# KiCad board Line_ver002.kicad_pcb (continued)
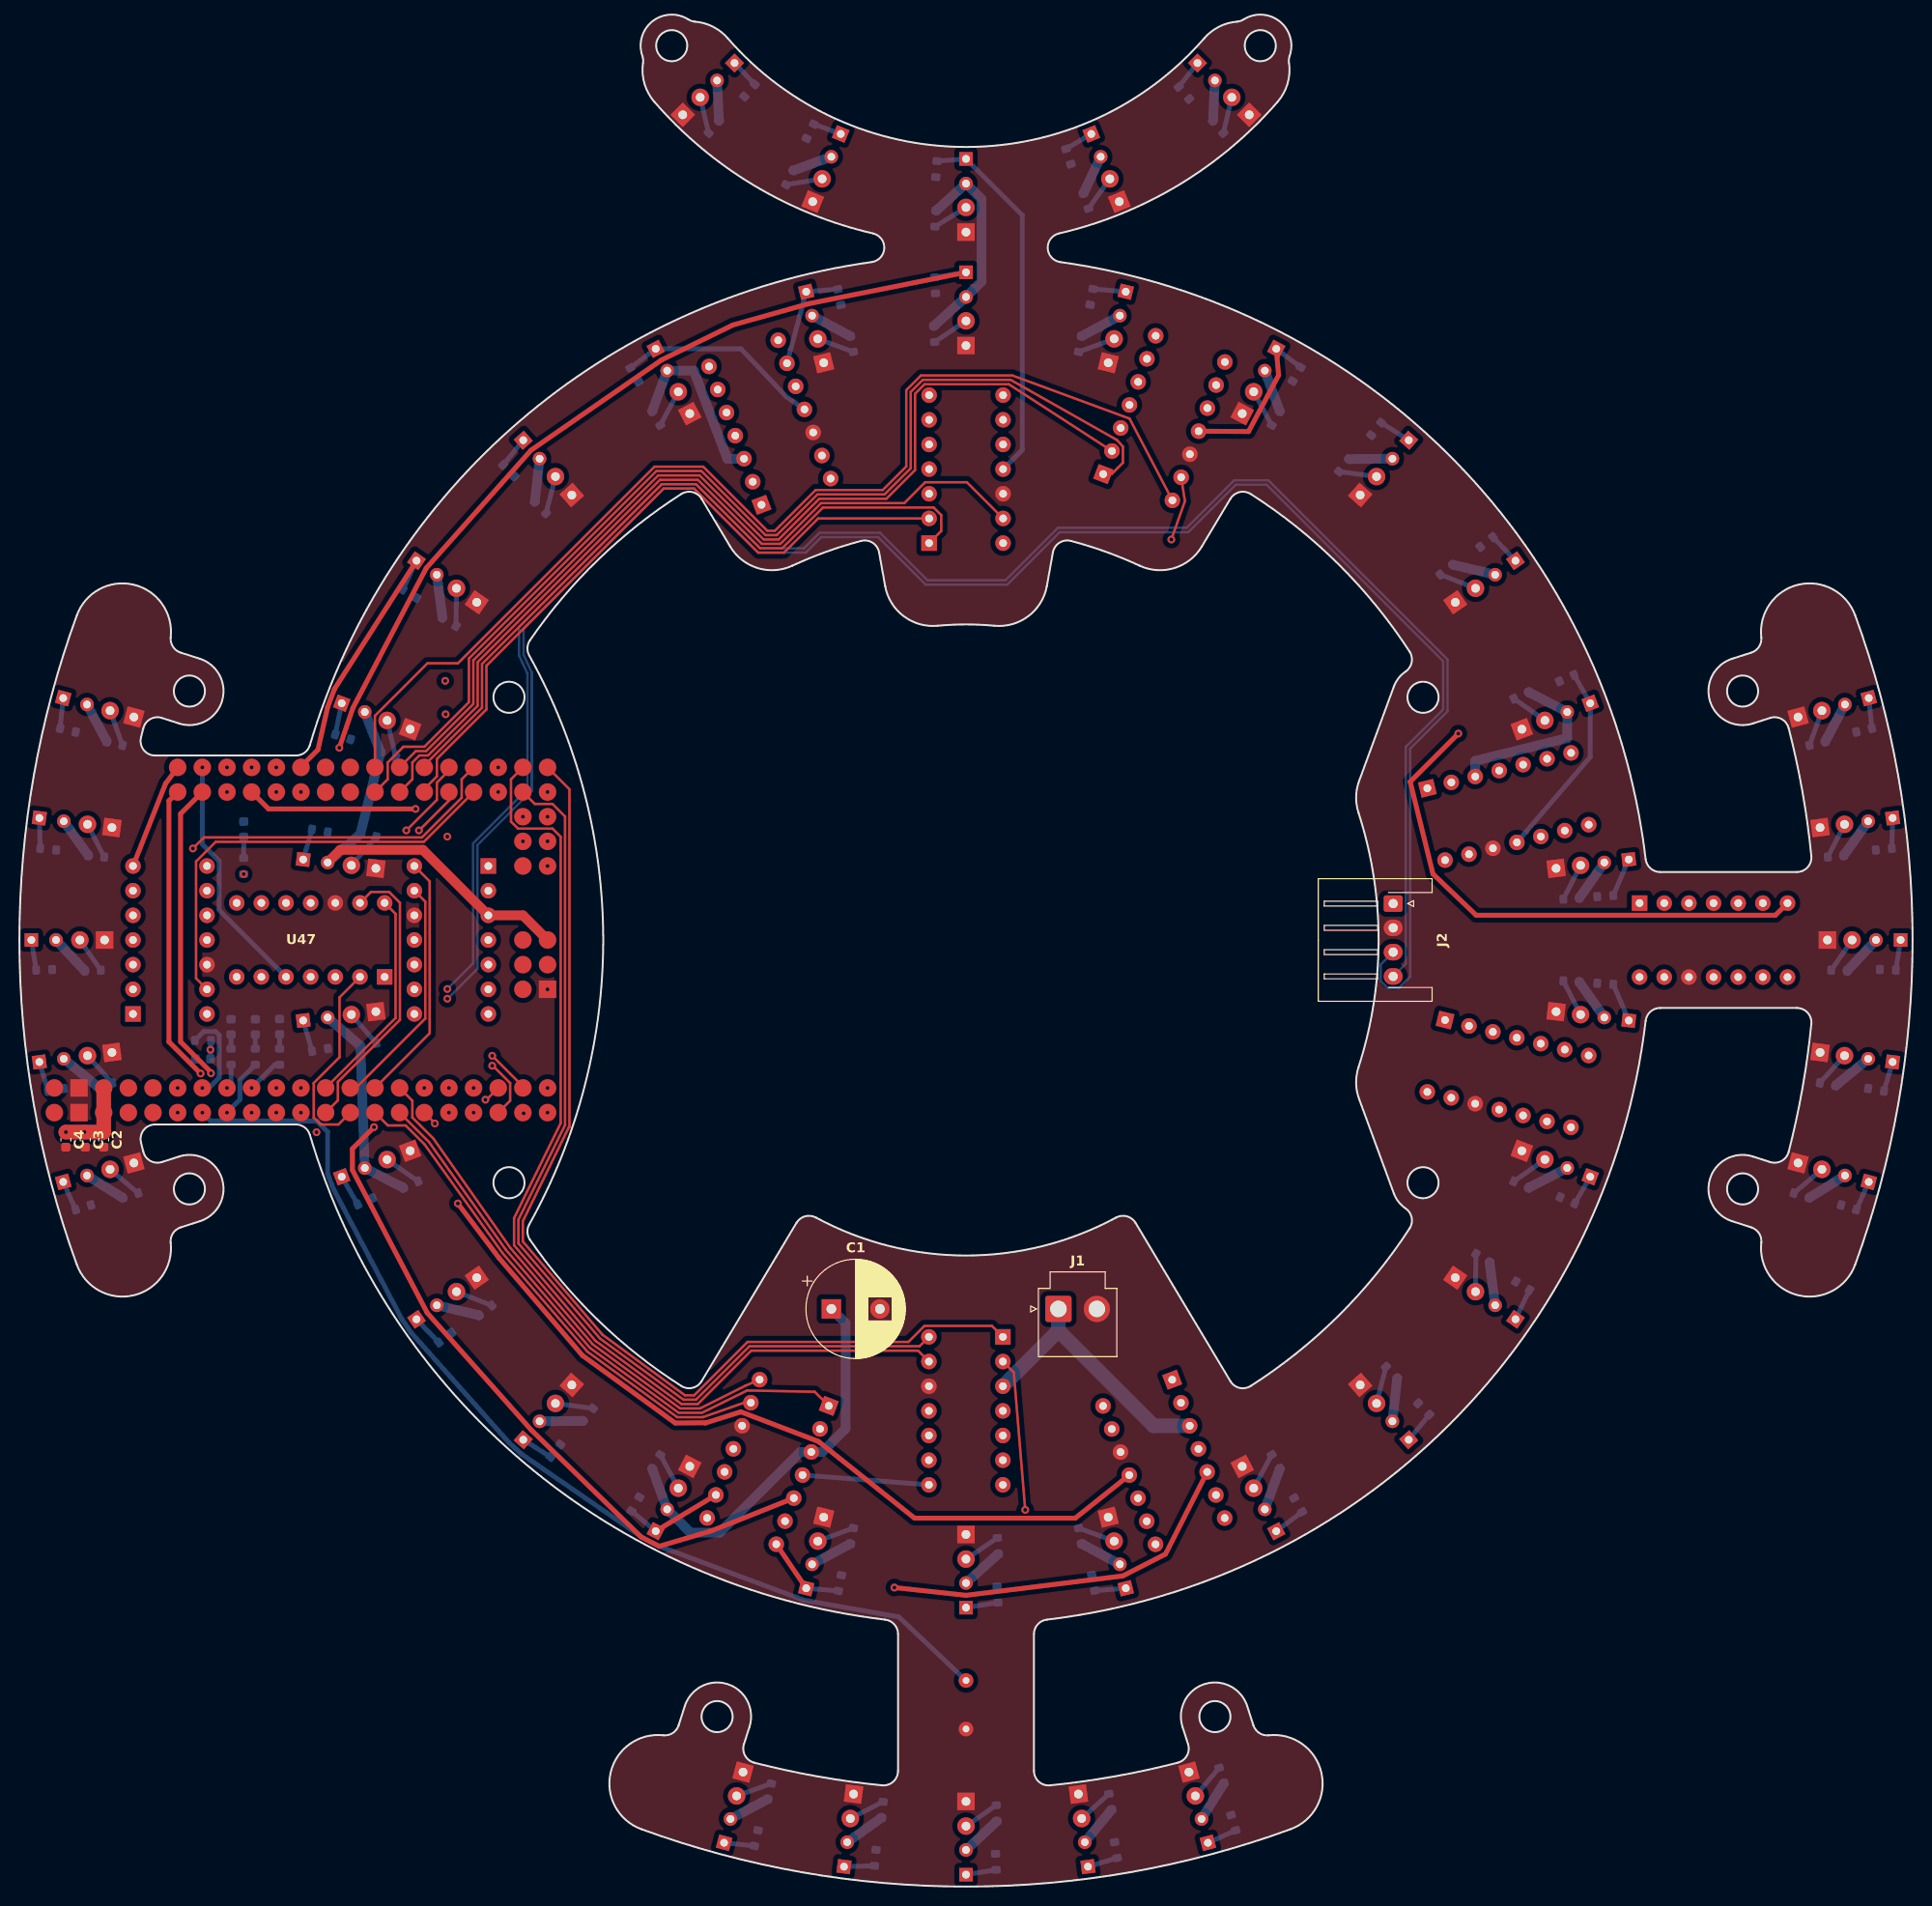
[diagram p0: board, top side]
## Footprints (pads in the part's own frame, mm; a bottom-side part is the same pattern mirrored in y, then rotated)
ATmega2560Pro Board
  round 1.8 smd: 3V3(-17.78,-15.24) 3V3(-17.78,-17.78) 5V(25.4,0) A0(-12.7,17.78) A1(-12.7,15.24) A2(-10.16,17.78) A3(-10.16,15.24) A4(-7.62,17.78) A5(-7.62,15.24) A6(-5.08,17.78) A7(-5.08,15.24) A8(-2.54,17.78) A9(-2.54,15.24) A10(0,17.78) A11(0,15.24) A12(2.54,17.78) A13(2.54,15.24) A14(5.08,17.78) A15(5.08,15.24) AREF(-15.24,-15.24) D2(-10.16,-15.24) D3(-10.16,-17.78) D4(-7.62,-15.24) D5(-7.62,-17.78) D6(-5.08,-15.24) D7(-5.08,-17.78) D8(-2.54,-15.24) D9(-2.54,-17.78) D10(0,-15.24) D11(0,-17.78) D12(2.54,-15.24) D13(2.54,-17.78) D14(5.08,-15.24) D15(5.08,-17.78) D16(7.62,-15.24) D17(7.62,-17.78) D18(10.16,-15.24) D19(10.16,-17.78) D20(12.7,-15.24) D21(12.7,-17.78) D22(15.24,-15.24) D23(15.24,-17.78) D24(17.78,-15.24) D25(17.78,-17.78) D26(20.32,-15.24) D27(20.32,-17.78) D28(22.86,-15.24) D29(22.86,-17.78) D30(25.4,-15.24) D31(25.4,-17.78) D32(7.62,17.78) D33(7.62,15.24) D34(10.16,17.78) D35(10.16,15.24) D36(12.7,17.78) D37(12.7,15.24) D38(15.24,17.78) D39(15.24,15.24) D40(17.78,17.78) D41(17.78,15.24) D42(20.32,17.78) D43(20.32,15.24) D44(22.86,17.78) D45(22.86,15.24) D46(25.4,17.78) D47(25.4,15.24) D48(25.4,12.7) D49(22.86,12.7) D50(25.4,10.16) D51(22.86,10.16) D52(25.4,7.62) D53(22.86,7.62) MISO(22.86,0) MOSI(25.4,-2.54) RESET(22.86,-5.08) RST(-15.24,-17.78) RX(-12.7,-15.24) SCK(22.86,-2.54) TX(-12.7,-17.78) VIN(-25.4,-15.24) VIN(-25.4,-17.78)
  oval 1.8x1.8 smd: 5V(-20.32,-15.24) 5V(-20.32,-17.78)
  rect 1.8x1.8 smd: GND(-22.86,-15.24) GND(-22.86,-17.78) GND(25.4,-5.08)
C_0603_1608Metric
  rrect 0.9x0.95 smd: 1(-0.775,0) 2(0.775,0)
CP_Radial_D10.0mm_P5.00mm
  rect 2x2 hole 1: 1(0,0)
  round 2 hole 1: 2(5,0)
JST_VH_B2P-VH-B_1x02_P3.96mm_Vertical
  rrect 2.7x2.7 hole 1.7: 1(-1.98,0)
  round 2.7 hole 1.7: 2(1.98,0)
JST_XH_S4B-XH-A-1_1x04_P2.50mm_Horizontal
  rrect 1.7x1.95 hole 0.95: 1(0,0)
  oval 1.7x1.95 hole 0.95: 2(2.5,0) 3(5,0) 4(7.5,0)
LED-3mm
  rect 1.8x1.8 hole 0.9: 1(-1.27,0)
  round 1.8 hole 0.9: 2(1.27,0)
LED_0603_1608Metric
  rrect 0.875x0.95 smd: 1(-0.787,0) 2(0.787,0)
LM339
  rect 1.6x1.6 hole 0.8: 1(-3.8,7.62)
  oval 1.6x1.6 hole 0.8: 2(-3.8,5.08) 3(-3.8,2.54) 4(-3.8,0) 5(-3.8,-2.54) 6(-3.8,-5.08) 7(-3.8,-7.62) 8(3.82,-7.62) 9(3.82,-5.08) 10(3.82,-2.54) 11(3.82,0) 12(3.82,2.54) 13(3.82,5.08) 14(3.82,7.62)
NJL7502L
  rect 1.4x1.4 hole 0.8: 1(1.27,0)
  round 1.4 hole 0.8: 2(-1.27,0)
PKM13EPYH4000-A0
  round 1.5 hole 0.7: 1(-2.5,0) 2(2.5,0)
R_0603_1608Metric
  rrect 0.8x0.95 smd: 1(-0.825,0) 2(0.825,0)

## Nets
+5V: C1.1 C2.1 C3.1 C4.1 Comp1.3 Comp2.3 Comp3.3 Comp4.3 Comp5.3 Comp6.3 Comp7.3 Comp8.3 Comp9.3 Comp10.3 Comp11.3 Comp12.3 J1.1 J2.1 R1.2 R2.2 R3.2 R4.2 R5.2 R6.2 R7.2 R8.2 R9.2 R10.2 R11.2 R12.2 R13.2 R14.2 R15.2 R16.2 R17.2 R18.2 R19.2 R20.2 R21.2 R22.2 R23.2 R24.2 R25.2 R26.2 R27.2 R28.2 R29.2 R30.2 R31.2 R32.2 R33.2 R34.2 R35.2 R36.2 R37.2 R38.2 R39.2 R40.2 R41.2 R42.2 R43.2 R44.2 R45.2 R46.2 R96.1 U1.2 U2.2 U3.2 U4.2 U5.2 U6.2 U7.2 U8.2 U9.2 U10.2 U11.2 U12.2 U13.2 U14.2 U15.2 U16.2 U17.2 U18.2 U19.2 U20.2 U21.2 U22.2 U23.2 U24.2 U25.2 U26.2 U27.2 U28.2 U29.2 U30.2 U31.2 U32.2 U33.2 U34.2 U35.2 U36.2 U37.2 U38.2 U39.2 U40.2 U41.2 U42.2 U43.2 U44.2 U45.2 U46.2 U47.5V
GND: BZ1.2 C1.2 C2.2 C3.2 C4.2 C5.1 Comp1.12 Comp2.12 Comp3.12 Comp4.12 Comp5.12 Comp6.12 Comp7.12 Comp8.12 Comp9.12 Comp10.12 Comp11.12 Comp12.12 D1.1 D2.1 D3.1 D4.1 D5.1 D6.1 D7.1 D8.1 D9.1 D10.1 D11.1 D12.1 D13.1 D14.1 D15.1 D16.1 D17.1 D18.1 D19.1 D20.1 D21.1 D22.1 D23.1 D24.1 D25.1 D26.1 D27.1 D28.1 D29.1 D30.1 D31.1 D32.1 D33.1 D34.1 D35.1 D36.1 D37.1 D38.1 D39.1 D40.1 D41.1 D42.1 D43.1 D44.1 D45.1 D46.1 D47.1 D48.1 D49.1 D50.1 J1.2 J2.2 R47.2 R48.2 R49.2 R50.2 R51.2 R52.2 R53.2 R54.2 R55.2 R56.2 R57.2 R58.2 R59.2 R60.2 R61.2 R62.2 R63.2 R64.2 R65.2 R66.2 R67.2 R68.2 R69.2 R70.2 R71.2 R72.2 R73.2 R74.2 R75.2 R76.2 R77.2 R78.2 R79.2 R80.2 R81.2 R82.2 R83.2 R84.2 R85.2 R86.2 R87.2 R88.2 R89.2 R90.2 R91.2 R92.2 U47.GND
Buzzer: BZ1.1 U47.D3
LED01: R93.1 U47.D4
LED02: R94.1 U47.D5
LED03: R95.1 U47.D6
Line01: Comp2.14 U47.D7
Line02: Comp1.14 U47.D8
Line03: Comp1.13 U47.D9
Line04: Comp1.1 U47.D10
Line05: Comp1.2 U47.D11
Line06: Comp5.14 U47.D12
Line07: Comp5.13 U47.D13
Line08: Comp4.13 U47.D14
Line09: Comp5.2 U47.D15
Line10: Comp4.14 U47.D16
Line11: Comp9.13 U47.D17
Line12: Comp9.14 U47.D18
Line13: Comp9.1 U47.D19
Line14: Comp8.2 U47.D20
Line15: Comp7.14 U47.D21
Line16: Comp7.1 U47.D22
Line17: Comp7.2 U47.D23
Line18: Comp12.13 U47.D24
Line19: Comp12.14 U47.D25
Line20: Comp12.1 U47.D26
Line21: Comp10.14 U47.D27
Line22: Comp10.13 U47.D28
Line23: Comp10.1 U47.D29
Line24: Comp10.2 U47.D30
Line25: Comp3.13 U47.D31
Line26: Comp3.14 U47.D32
Line27: Comp3.1 U47.D33
Line28: Comp3.2 U47.D34
Line29: Comp2.13 U47.D35
Line30: Comp2.1 U47.D36
Line31: Comp2.2 U47.D37
Line32: Comp6.14 U47.D38
Line33: Comp6.1 U47.D39
Line34: Comp6.2 U47.D40
Line35: Comp6.13 U47.D41
Line36: Comp5.1 U47.D42
Line37: Comp9.2 U47.D43
Line38: Comp8.13 U47.D44
Line39: Comp8.14 U47.D45
Line40: Comp8.1 U47.D46
Line41: Comp7.13 U47.D47
Line42: Comp12.2 U47.D48
Line43: Comp11.13 U47.D49
Line44: Comp11.14 U47.D50
Line45: Comp11.1 U47.D51
Line46: Comp11.2 U47.D52
Line-Main=RX_5V: J2.4 U47.TX
Line-Main=TX_5V: J2.3 U47.RX
LineThreshold: C5.2 Comp1.4 Comp1.6 Comp1.8 Comp1.10 Comp2.4 Comp2.6 Comp2.8 Comp2.10 Comp3.4 Comp3.6 Comp3.8 Comp3.10 Comp4.8 Comp4.10 Comp5.4 Comp5.6 Comp5.8 Comp5.10 Comp6.4 Comp6.6 Comp6.8 Comp6.10 Comp7.4 Comp7.6 Comp7.8 Comp7.10 Comp8.4 Comp8.6 Comp8.8 Comp8.10 Comp9.4 Comp9.6 Comp9.8 Comp9.10 Comp10.4 Comp10.6 Comp10.8 Comp10.10 Comp11.4 Comp11.6 Comp11.8 Comp11.10 Comp12.4 Comp12.6 Comp12.8 Comp12.10 R97.2
Raw01: Comp2.9 R47.1 U1.1 U47.A11
Raw02: Comp1.9 R48.1 U2.1
Raw03: Comp1.11 R49.1 U3.1
Raw04: Comp1.7 R50.1 U4.1
Raw05: Comp1.5 R51.1 U5.1 U47.A10
Raw06: Comp5.9 R52.1 U6.1
Raw07: Comp5.11 R53.1 U7.1
Raw08: Comp4.11 R54.1 U8.1
Raw09: Comp5.5 R55.1 U9.1 U47.A2
Raw10: Comp4.9 R56.1 U10.1
Raw11: Comp9.11 R57.1 U11.1
Raw12: Comp9.9 R58.1 U12.1
Raw13: Comp9.7 R59.1 U13.1 U47.A3
Raw14: Comp8.5 R60.1 U14.1
Raw15: Comp7.9 R61.1 U15.1
Raw16: Comp7.7 R62.1 U16.1
Raw17: Comp7.5 R63.1 U17.1 U47.A1
Raw18: Comp12.11 R64.1 U18.1
Raw19: Comp12.9 R65.1 U19.1
Raw20: Comp12.7 R66.1 U20.1
Raw21: Comp10.9 R67.1 U21.1 U47.A9
Raw22: Comp10.11 R68.1 U22.1
Raw23: Comp10.7 R69.1 U23.1
Raw24: Comp10.5 R70.1 U24.1
Raw25: Comp3.11 R71.1 U25.1 U47.A8
Raw26: Comp3.9 R72.1 U26.1
Raw27: Comp3.7 R73.1 U27.1
Raw28: Comp3.5 R74.1 U28.1
Raw29: Comp2.11 R75.1 U29.1 U47.A6
Raw30: Comp2.7 R76.1 U30.1
Raw31: Comp2.5 R77.1 U31.1
Raw32: Comp6.9 R78.1 U32.1
Raw33: Comp6.7 R79.1 U33.1 U47.A0
Raw34: Comp6.5 R80.1 U34.1
Raw35: Comp6.11 R81.1 U35.1
Raw36: Comp5.7 R82.1 U36.1
Raw37: Comp9.5 R83.1 U37.1 U47.A7
Raw38: Comp8.11 R84.1 U38.1
Raw39: Comp8.9 R85.1 U39.1
Raw40: Comp8.7 R86.1 U40.1
Raw41: Comp7.11 R87.1 U41.1 U47.A5
Raw42: Comp12.5 R88.1 U42.1
Raw43: Comp11.11 R89.1 U43.1
Raw44: Comp11.9 R90.1 U44.1
Raw45: Comp11.7 R91.1 U45.1 U47.A4
Raw46: Comp11.5 R92.1 U46.1
RST: U47.RST
Net-(D1-A): D1.2 R1.1
Net-(D2-A): D2.2 R2.1
Net-(D3-A): D3.2 R3.1
Net-(D4-A): D4.2 R4.1
Net-(D5-A): D5.2 R5.1
Net-(D6-A): D6.2 R6.1
Net-(D7-A): D7.2 R7.1
Net-(D8-A): D8.2 R8.1
Net-(D9-A): D9.2 R9.1
Net-(D10-A): D10.2 R10.1
Net-(D11-A): D11.2 R11.1
Net-(D12-A): D12.2 R12.1
Net-(D13-A): D13.2 R13.1
Net-(D14-A): D14.2 R14.1
Net-(D15-A): D15.2 R15.1
Net-(D16-A): D16.2 R16.1
Net-(D17-A): D17.2 R17.1
Net-(D18-A): D18.2 R18.1
Net-(D19-A): D19.2 R19.1
Net-(D20-A): D20.2 R20.1
Net-(D21-A): D21.2 R21.1
Net-(D22-A): D22.2 R22.1
Net-(D23-A): D23.2 R23.1
Net-(D24-A): D24.2 R24.1
Net-(D25-A): D25.2 R25.1
Net-(D26-A): D26.2 R26.1
Net-(D27-A): D27.2 R27.1
Net-(D28-A): D28.2 R28.1
Net-(D29-A): D29.2 R29.1
Net-(D30-A): D30.2 R30.1
Net-(D31-A): D31.2 R31.1
Net-(D32-A): D32.2 R32.1
Net-(D33-A): D33.2 R33.1
Net-(D34-A): D34.2 R34.1
Net-(D35-A): D35.2 R35.1
Net-(D36-A): D36.2 R36.1
Net-(D37-A): D37.2 R37.1
Net-(D38-A): D38.2 R38.1
Net-(D39-A): D39.2 R39.1
Net-(D40-A): D40.2 R40.1
Net-(D41-A): D41.2 R41.1
Net-(D42-A): D42.2 R42.1
Net-(D43-A): D43.2 R43.1
Net-(D44-A): D44.2 R44.1
Net-(D45-A): D45.2 R45.1
Net-(D46-A): D46.2 R46.1
Net-(D47-A): D47.2 R93.2
Net-(D48-A): D48.2 R94.2
Net-(D49-A): D49.2 R95.2
Net-(D50-A): D50.2 R96.2
Net-(R97-Pad1): R97.1 U47.D2

Pads without a net: Comp4 1 2 4 5 6 7; U47 3V3 A12 A13 A14 A15 AREF D53 MISO MOSI RESET SCK VIN

## Via types
v1: diameter 0.8, hole 0.4, Top to Bottom, 63 vias

## Routing (per net, layer and track width the routed paths; a pad name or vN(x,y) marks a point on that pad's centre or on a via; arc(x,y) is an arc through that point)
+5V: length 364.6
  Top w1: U47.5V 51.86,100.04 Comp4.3 41.55,106.79 33.06,106.79 U7.2 ; C3.1 v1(6.7,77.71)
  Top w1.5: U47.5V U47.5V 8.68,77.71 C2.1 v1(6.7,77.71) v1(4.78,77.71)
  Bottom w1: R43.2 U43.2 ; R46.2 U46.2 ; R5.2 U5.2 ; U25.2 R25.2 ; C1.1 85.1,58.04 85.1,47.17 82.69,44.76 Comp9.3 80.43,44.76 72.13,36.47 69.11,36.47 U12.2 R12.2 ; R26.2 U26.2 ; R22.2 U22.2 159.43,118.3 149.95,115.95 Comp10.3 ; U37.2 R37.2 ; 160.68,93.13 R20.2 U20.2 ; U35.2 R35.2 ; U10.2 R10.2 ; R23.2 U23.2 ; R24.2 U24.2 ; R19.2 U19.2 ; U38.2 R38.2 ; R31.2 U31.2 ; U7.2 R7.2 R6.2 U6.2 ; R4.2 U4.2 ; U17.2 R17.2 ; U14.2 R14.2 ; U41.2 R41.2 ; U13.2 R13.2 ; U11.2 R11.2 ; R30.2 U30.2 ; U8.2 R8.2 U9.2 R9.2 ; U40.2 R40.2 ; R28.2 U28.2 ; U36.2 R36.2 ; R45.2 U45.2 ; U34.2 R34.2 ; R15.2 U15.2 ; U42.2 R42.2 ; R3.2 U3.2 69.46,156.14 72.92,147.07 Comp1.3 ; R18.2 U18.2 ; R1.2 U1.2 99.1,165.33 99.1,173.81 U29.2 R29.2 ; R44.2 U44.2 ; R32.2 U32.2 ; U2.2 R2.2 ; U39.2 R39.2 ; R21.2 U21.2 ; U27.2 R27.2 ; U16.2 R16.2 ; U33.2 R33.2
  Bottom w1.5: 107.02,57.26 J1.1 ; 107.02,57.26 Comp8.3 ; 107.02,57.26 116.82,47.46 Comp7.3
  vias: v1(23.1,104.29)
GND:
  vias: v1(54.4,92.42)
Buzzer: length 105.9
  Bottom w0.5: v1(18.84,79.72) 19.69,78.87 30.63,78.87 31.75,77.75 31.75,73.4 32.35,71.85 39.4,58.42 40.38,57.02 50.42,45.73 51.73,44.55 64.22,35.92 65.85,35.08 80.8,29.5 90.58,27.78 BZ1.1
LED01: length 2.6
  Bottom w0.5: R93.1 21.8,82.68 v1(21.38,82.26)
LED02: length 6.1
  Bottom w0.5: v1(21.38,79.72) 22.7,81.04 22.7,83.05 R94.1
LED03: length 3.9
  Bottom w0.5: v1(23.92,82.26) 26.31,84.65 R95.1
Line01: length 135
  In1.Cu w0.25: Comp2.14 99.29,136.35 93.34,136.35 85.14,144.55 85.14,146.61 83.1,148.65 74.2,148.25 64.95,147.25 44.8,127.1 44.8,91.05 38.09,84.34 26.24,84.34 24.83,82.93 24.83,80.64 v1(23.92,79.72)
Line02: length 108.8
  In1.Cu w0.25: Comp1.14 78.88,140.35 76.35,140.35 70.8,145.9 65.5,145.9 46.15,126.55 46.15,90.49 38.64,82.99 27.18,82.99 v1(26.46,82.26)
Line03: length 108.9
  In1.Cu w0.25: Comp1.13 74.6,145.75 71.17,146.8 65.13,146.8 45.25,126.92 45.25,90.86 38.27,83.89 26.42,83.89 25.28,82.75 25.28,80.9 v1(26.46,79.72)
Line04: length 118.4
  In1.Cu w0.25: v1(29,82.26) 38.56,82.26 46.6,90.3 46.6,126.36 65.69,145.45 70.61,145.45 76.16,139.9 80.03,139.9 84.69,144.56 84.69,145.49 84.03,146.15 83.3,146.3 Comp1.1 75.78,142.32
Line05: length 102.5
  In1.Cu w0.25: v1(29,79.72) 27.93,79.72 25.73,81.92 25.73,82.56 26.61,83.44 38.46,83.44 45.7,90.68 45.7,126.73 65.32,146.35 70.99,146.35 Comp1.2
Line06: length 22.5
  Top w0.25: U47.D12 38.74,89.47 38.74,100.2 Comp5.14
Line07: length 29.8
  Top w0.25: Comp5.13 36.2,102.45 38.08,102.45 39.19,101.34 39.19,89.28 32.8,82.89 32.8,80.98 U47.D13
Line08: length 24.3
  Top w0.25: Comp4.13 41.8,101.46 41.8,89.41 34.65,82.26 U47.D14
Line09: length 21
  Top w0.25: U47.D15 32.85,78.5 31.03,78.5 30.31,79.21 30.31,82.77 32.97,85.42 32.97,91.59 Comp5.2
Line10: length 25.8
  Top w0.25: U47.D16 42.25,87.9 42.25,103.55 Comp4.14
Line11: length 52.9
  Top w0.25: U47.D17 37.94,78.4 39.78,78.4 41.73,76.45 49.8,65.2 58.5,55.1 67.75,48.35 70.4,48.35 74.64,49.84 Comp9.13
Line12: length 53.5
  Top w0.25: U47.D18 40.47,80.95 40.47,79.21 42.63,77.05 50.55,65.8 59.05,55.85 68.05,49.25 70.1,49.25 74.8,51.6 Comp9.14
Line13: length 59.2
  Top w0.25: Comp9.1 81.91,50.97 74.95,51.1 70.3,48.8 67.9,48.8 58.75,55.5 50.1,65.6 42.18,76.7 U47.D19
Line14: length 112.4
  Top w0.25: v1(103.6,38.8) 102.42,52.96 Comp8.2
  In1.Cu w0.25: v1(103.6,38.8) 91.8,38.8 85.05,51 76.15,54.05 74.9,53.3 72.08,45.95 66.46,45.95 42.06,70.4 42.06,81.9 v1(41.7,82.26)
Line15: length 106.2
  Top w0.25: U47.D21 42.79,78.63 v1(42.79,78.6)
  In1.Cu w0.25: v1(42.79,78.6) 42.79,70.35 66.65,46.4 71.75,46.4 74.55,53.7 76.05,54.6 85.35,51.4 92.1,39.36 103,39.36 Comp7.14
Line16: length 115.5
  In1.Cu w0.25: v1(44.24,82.26) 43.51,81.54 43.51,70.35 66.83,46.85 71.4,46.85 74.2,54.05 76,55.1 85.65,51.8 92.4,39.81 102.7,39.81 110.9,50.6 Comp7.1
Line17: length 117.3
  In1.Cu w0.25: Comp7.2 120.44,50.63 119.8,53.6 119,53.9 110.6,51 102.46,40.26 92.72,40.26 85.95,52.2 75.95,55.65 73.85,54.4 71.05,47.3 67.02,47.3 44.25,70.25 v1(44.24,79.72)
Line18: length 155.2
  In1.Cu w0.25: v1(46.78,82.26) 46.05,81.54 46.05,69.35 67.25,47.75 70.7,47.75 73.5,54.8 75.95,56.2 86.15,52.75 93.25,58 103.83,58 106.93,54.9 119.93,54.9 124.93,49.9 128.87,49.9 147.8,68.83 147.8,80.93 Comp12.13
Line19: length 152.1
  In1.Cu w0.25: v1(46.78,79.72) 46.78,69.6 66.85,48.8 67.45,48.2 70.35,48.2 73.1,55.15 75.9,56.7 86.05,53.3 93.1,58.5 103.96,58.5 107.01,55.45 120.01,55.45 125.11,50.35 128.69,50.35 147.35,69.01 147.35,73.69 145.02,76.02 Comp12.14
Line20: length 162.2
  Top w0.25: U47.D26 48.11,81.05 v1(48,81.05)
  In1.Cu w0.25: Comp12.1 143.89,86.3 143.89,76.51 146.9,73.5 146.9,69.2 128.5,50.8 125.3,50.8 120.2,55.9 107.2,55.9 104.15,58.95 92.95,58.95 86,53.85 75.9,57.25 72.75,55.5 70,48.65 67.7,48.65 48,69 v1(48,81.05)
Line21: length 202.6
  Top w0.25: v1(48.7,84.55) 48.76,84.55 50.54,82.77 50.54,80.95 U47.D27
  In1.Cu w0.25: v1(48.7,84.55) 47.05,86.2 47.05,126.17 65.88,145 70.07,145 75.62,139.45 80.49,139.45 81.84,140.8 88.25,140.8 93.15,135.9 101.03,135.9 105.98,140.85 119.84,140.85 124.74,145.75 129.01,145.75 149.95,124.81 153.8,114.85 152.9,106 149.1,105.05 Comp10.14
Line22: length 192
  Top w0.25: v1(48.7,85.57) 51.86,82.42 U47.D28
  In1.Cu w0.25: Comp10.13 151.25,114.1 149.5,124.62 128.82,145.3 124.93,145.3 120.03,140.4 106.16,140.4 101.21,135.45 92.94,135.45 88.04,140.35 82.03,140.35 80.68,139 75.44,139 69.89,144.55 66.06,144.55 47.5,125.99 47.5,108.17 49.42,106.25 49.42,86.3 v1(48.7,85.57)
Line23: length 185.7
  Top w0.25: v1(51.94,79.64) U47.D29
  In1.Cu w0.25: Comp10.1 148.61,124.88 128.64,144.85 125.11,144.85 120.21,139.95 106.35,139.95 101.4,135 92.75,135 87.85,139.9 82.21,139.9 80.86,138.55 75.25,138.55 69.7,144.1 66.25,144.1 47.95,125.8 47.95,108.36 50.15,106.16 50.15,84.62 50.16,84.62 50.16,81.42 v1(51.94,79.64)
Line24: length 182.1
  In2.Cu w0.25: v1(54.4,82.26) 56.26,84.13 56.26,114.64 53.94,116.97 53.94,121.91 50.86,124.99 50.86,129.18 66.14,144.45 69.76,144.45 76.61,137.6 80.55,137.6 82.4,139.45 88.66,139.45 93.56,134.55 101.59,134.55 106.54,139.5 120.4,139.5 125.3,144.4 128.45,144.4 147.49,125.36 Comp10.2
Line25: length 140.5
  Top w0.25: v1(118.65,138.75) 120.05,142.7 Comp3.13
  In2.Cu w0.25: v1(54.4,79.72) 56.87,82.19 56.87,115.33 54.7,117.5 54.7,121.79 51.31,125.17 51.31,128.99 66.32,144 69.58,144 74.29,139.29 74.29,139.24 76.38,137.15 80.74,137.15 82.59,139 88.48,139 93.38,134.1 101.77,134.1 106.72,139.05 v1(118.65,138.75)
Line26: length 117.9
  Top w0.25: Comp3.14 114.35,151.2 102.28,155.65 92.86,155.65 91.35,154.13 91.35,146.27 88.92,143.85 82.01,143.85 77.82,139.65 77.03,139.65 70.43,146.25 65.42,146.25 45.17,126 42.03,126 36.62,120.59 U47.D32
Line27: length 114.5
  Top w0.25: U47.D33 37.93,114.06 37.93,115.79 39.55,117.41 41.71,117.41 46.3,122 46.3,126.5 65.6,145.8 70.25,145.8 76.85,139.2 78,139.2 82.2,143.4 89.11,143.4 91.8,146.09 91.8,153.95 93.05,155.2 102.09,155.2 113.05,149 113.66,148.33 113.66,146.66 112.49,145.49 Comp3.1
Line28: length 104.5
  Top w0.25: U47.D34 40.83,116.96 41.9,116.96 46.75,121.81 46.75,126.31 65.79,145.35 70.06,145.35 76.66,138.75 78.19,138.75 82.39,142.95 89.3,142.95 92.25,145.9 92.25,153.76 93.23,154.75 101.9,154.75 Comp3.2
Line29: length 86
  Top w0.25: Comp2.13 97.59,144.65 93.3,144.65 91.14,142.5 82.57,142.5 78.38,138.3 76.47,138.3 69.87,144.9 65.98,144.9 47.2,126.12 47.2,121.62 42.08,116.51 41.19,116.51 40.47,115.79 40.47,114.06 U47.D35
Line30: length 76.3
  Top w0.25: U47.D36 41.7,115.49 47.65,121.44 47.65,125.94 66.16,144.45 69.69,144.45 76.29,137.85 78.56,137.85 82.76,142.05 94.16,142.05 94.95,141.26 94.95,139.63 Comp2.1
Line31: length 73
  Top w0.25: U47.D37 41.7,113.05 43,114.35 43,116.15 48.1,121.25 48.1,125.75 66.35,144 69.5,144 76.1,137.4 78.75,137.4 82.27,140.92 Comp2.2
Line32: length 47.5
  Top w0.25: U47.D38 44.24,114.95 43,113.71 43,111.94 v1(39.85,108.79)
  In1.Cu w0.25: Comp6.14 18.19,91.01 18.19,105.59 20.41,107.8 38.86,107.8 v1(39.85,108.79)
Line33: length 48.9
  Top w0.25: v1(41.15,108.79) 41.16,108.79 44.24,111.86 U47.D39
  In1.Cu w0.25: Comp6.1 17.74,95.93 17.74,105.77 21.15,109.17 36.19,109.17 36.52,109.51 40.43,109.51 v1(41.15,108.79)
Line34: length 50.5
  Top w0.25: U47.D40 45.55,114.06 45.55,112.15 41.46,108.06 19.01,108.06 v1(17.87,106.93)
  In1.Cu w0.25: Comp6.2 17.25,97.97 17.25,106.3 v1(17.87,106.93)
Line35: length 45.2
  Top w0.25: Comp6.13 18.19,93.55 18.19,105.59 20.22,107.61 41.65,107.61 U47.D41
Line36: length 29.7
  In2.Cu w0.25: Comp5.1 37.62,98.57 39.05,100 39.05,110.65 43.68,115.28 v1(49.32,115.28)
Line37: length 92.3
  In2.Cu w0.25: Comp9.2 81.66,46.34 67.38,46.34 45.9,67.82 45.9,77.82 49.5,81.42 49.5,112.56 v1(49.32,112.74)
Line38: length 107.2
  Top w0.25: U47.D44 50.63,114.06 50.63,109.69 51.35,108.98 54.91,108.98 55.75,108.13 55.75,78.62 50.95,68.85 50.95,66.05 59.35,56.2 68.2,49.7 69.87,49.7 75.37,55.2 92.56,55.2 Comp8.13
Line39: length 102
  Top w0.25: Comp8.14 92.71,55.65 75.19,55.65 69.69,50.15 68.4,50.15 59.8,56.45 51.4,66.25 51.4,68.7 56.2,78.44 56.2,110.22 54.91,111.52 53.08,111.52 U47.D45
Line40: length 110.2
  Top w0.25: U47.D46 56.65,113.03 56.65,78.25 56.57,78.17 51.85,68.53 51.85,66.45 60.05,56.85 68.55,50.6 69.5,50.6 75,56.1 91.57,56.1 93.21,57.75 100.17,57.75 Comp8.1
Line41: length 162.2
  In1.Cu w0.25: Comp7.13 103.95,38.08 103.94,38.08 91.58,38.08 84.75,50.6 76.2,53.5 75.3,53 72.4,45.5 66.27,45.5 41.2,70.6 39.05,75.3 38.6,76.3 38.6,80.19 41.4,82.99 47.26,82.99 51.33,78.92 54.67,78.92 55.2,79.45 55.2,111.94 v1(54.4,112.74)
Line42: length 201.2
  In2.Cu w0.25: Comp12.2 143.85,83.19 143.85,81.43 148.55,76.73 148.55,68.35 129.15,48.95 124,48.95 119.38,53.57 106.42,53.57 102.24,57.75 93.21,57.75 88.81,53.34 75.77,53.34 73.85,51.42 73.85,49.05 71.75,46.95 67.4,46.95 46.35,68 46.35,77.63 49.95,81.23 49.95,109.32 51.56,110.93 53.67,110.93 v1(54.4,110.2)
Line43: length 221.1
  In2.Cu w0.25: Comp11.13 167.89,92.15 147.72,92.15 143.4,87.83 143.4,81.24 148.1,76.54 148.1,68.54 128.96,49.4 124.19,49.4 119.57,54.02 106.61,54.02 102.43,58.2 93.03,58.2 88.62,53.79 75.59,53.79 73.4,51.6 73.4,49.24 71.56,47.4 67.59,47.4 46.8,68.19 46.8,77.44 50.4,81.04 50.4,108.74 v1(51.86,110.2)
Line44: length 218.7
  In2.Cu w0.25: v1(54.4,107.66) 53.67,108.39 51.56,108.39 50.85,107.68 50.85,80.86 47.25,77.26 47.25,68.38 67.78,47.85 71.38,47.85 72.95,49.42 72.95,51.79 75.4,54.24 88.44,54.24 92.84,58.65 102.61,58.65 106.79,54.47 119.76,54.47 124.37,49.85 128.77,49.85 147.65,68.73 147.65,76.36 142.95,81.06 142.95,88.01 148.62,93.68 Comp11.14
Line45: length 217
  In2.Cu w0.25: v1(51.86,107.66) 51.3,107.1 51.3,80.67 47.7,77.07 47.7,68.56 67.96,48.3 71.19,48.3 72.5,49.61 72.5,51.98 75.21,54.69 88.25,54.69 92.65,59.1 102.8,59.1 106.98,54.92 119.94,54.92 124.56,50.3 128.59,50.3 147.2,68.91 147.2,76.17 142.5,80.87 142.5,88.2 148.43,94.13 159.71,94.13 Comp11.1
Line46: length 218.8
  In2.Cu w0.25: v1(54.4,105.12) 51.75,102.47 51.75,80.48 48.15,76.88 48.15,68.75 68.15,48.75 71,48.75 72.05,49.8 72.05,52.16 75.03,55.14 76.44,55.14 76.45,55.15 88.07,55.15 92.47,59.55 102.98,59.55 107.16,55.37 120.13,55.37 124.75,50.75 128.4,50.75 146.75,69.1 146.75,75.98 142.05,80.68 142.05,88.39 148.24,94.58 159.52,94.58 165.2,100.25 165.2,101.87 165.75,102.43 168.29,102.43 Comp11.2
Line-Main=RX_5V: length 228.9
  In1.Cu w0.25: v1(16.3,79.72) 17.05,80.47 17.05,83.16 18.67,84.79 37.9,84.79 44.08,90.96 v1(44.08,91.45)
  Bottom w0.25: v1(44.08,91.45) 44.1,91.45 47.17,94.52 47.17,107.27 52.77,112.88 52.77,125.05 51.92,126.88 51.92,129.55 66.35,144 69.5,144 76.1,137.4 81,137.4 82.6,139 88.45,139 93.35,134.1 101.75,134.1 107.15,139.5 120.4,139.5 125.3,144.4 128.45,144.4 146.65,126.2 146.65,121.25 142.8,117.4 142.8,95.05 J2.4
Line-Main=TX_5V: length 234.5
  In1.Cu w0.25: v1(16.3,82.26) 16.3,83.05 18.49,85.24 37.71,85.24 43.35,90.87 43.35,91.75 44.05,92.45 v1(44.08,92.45)
  Bottom w0.25: v1(44.08,92.45) 46.72,95.1 46.72,107.46 52.33,113.06 52.33,124.95 51.48,126.78 51.48,129.75 66.15,144.45 69.69,144.45 76.29,137.85 80.81,137.85 82.41,139.45 88.64,139.45 93.54,134.55 101.56,134.55 106.96,139.95 120.21,139.95 125.11,144.85 128.64,144.85 147.1,126.39 147.1,121.06 143.25,117.21 143.25,93.71 142.11,92.58 140.89,92.58 140.2,93.26 140.2,94.95 J2.3
LineThreshold: length 36
  In1.Cu w0.5: Comp10.10 Comp12.4
  In2.Cu w0.5: Comp12.10 154.72,79.42 154.7,79.4
  Bottom w0.5: Comp8.8 Comp9.4 ; 19.72,87.15 19.67,87.1 C5.2
  vias: v1(19.67,86.2)
Raw01: length 113.1
  Top w0.5: U1.1 81.35,163.05 73.5,160.85 66.15,157.25 52.7,147.95 41.9,135.8 34.35,121.4 v1(32.95,117.3)
  In1.Cu w0.5: v1(29,112.74) v1(32.95,117.3)
  In2.Cu w0.5: U1.1 102.6,161.17 102.6,152.36 Comp2.9
  Bottom w0.5: R47.1 U1.1
Raw02: length 10.9
  Bottom w0.5: R48.1 U2.1 Comp1.9
Raw03: length 21.1
  Bottom w0.5: R49.1 U3.1 74.32,158.39 79,153.45 Comp1.11
Raw04: length 24.9
  In2.Cu w0.5: Comp1.7 70.31,157.29 66.24,157.29 U4.1
  Bottom w0.5: R50.1 U4.1
Raw05: length 65.3
  Top w0.5: U5.1 32.45,123.35 31.75,121.5 30.75,117.1 29,115.35 U47.A10
  In2.Cu w0.5: Comp1.5 68.8,149.77 53.3,148.57 U5.1
  Bottom w0.5: R51.1 U5.1
Raw06: length 25.7
  In2.Cu w0.5: U6.1 28.05,113.2 Comp5.9
  Bottom w0.5: U6.1 R52.1
Raw07: length 7.8
  In2.Cu w0.5: U7.1 Comp5.11
  Bottom w0.5: R53.1 U7.1
Raw08: length 20
  In1.Cu w0.5: U8.1 32.09,92.07 38.4,92.07 39.43,93.1 39.43,96.25 Comp4.11
  Bottom w0.5: U8.1 R54.1
Raw09: length 50
  In2.Cu w0.5: Comp5.5 27.5,93.66 27.5,89.37 U9.1
  Bottom w0.5: v1(18.84,115.28) 18.84,107.37 20.57,105.64 20.57,100.59 Comp5.5 ; U9.1 R55.1
Raw10: length 40.8
  In2.Cu w0.5: U10.1 34.3,73.87 34.3,84.17 Comp4.9
  Bottom w0.5: U10.1 R56.1
Raw11: length 25
  In2.Cu w0.5: U11.1 Comp9.11
  Bottom w0.5: U11.1 R57.1
Raw12: length 10.5
  Top w0.5: U12.1 Comp9.9
  Bottom w0.5: U12.1 R58.1
Raw13: length 126.7
  Top w0.5: U47.A3 16.6,110.5 16.6,87.01 19.73,83.88 v1(19.73,83.77) ; U13.1 Comp9.7
  In1.Cu w0.5: U13.1 65.9,35.05 64.25,35.9 51.8,44.5 50.45,45.7 40.35,57.05 39.35,58.5 32.3,71.95 31.75,73.4 v1(30.6,77.7)
  In2.Cu w0.5: v1(19.73,83.77) 19.73,82.71 23.57,78.87 29.43,78.87 v1(30.6,77.7)
  Bottom w0.5: U13.1 R59.1
Raw14: length 22.6
  In2.Cu w0.5: Comp8.5 99.25,44.41 99.25,30.48 U14.1
  Bottom w0.5: U14.1 R60.1
Raw15: length 10.4
  In2.Cu w0.5: U15.1 Comp7.9
  Bottom w0.5: R61.1 U15.1
Raw16: length 8.8
  In2.Cu w0.5: Comp7.7 U16.1
  Bottom w0.5: U16.1 R62.1
Raw17: length 188.8
  Top w0.5: U47.A1 15.4,111.84 15.4,87.01 v1(18.66,83.75) ; Comp7.5 118.05,34.25 113.65,32 97.5,30 v1(90.12,30.8)
  In1.Cu w0.5: v1(18.66,83.75) 18.66,83.64 23.43,78.87 31.63,78.87 33.05,77.45 34.4,73.5 41.95,59.15 52.75,47 66.15,37.75 81.35,31.95 v1(90.12,30.8)
  In2.Cu w0.5: Comp7.5 125.7,44.97 U17.1
  Bottom w0.5: U17.1 R63.1
Raw18: length 25
  In1.Cu w0.5: U18.1 Comp12.11
  Bottom w0.5: U18.1 R64.1
Raw19: length 10.4
  In2.Cu w0.5: U19.1 Comp12.9
  Bottom w0.5: R65.1 U19.1
Raw20: length 9.5
  In2.Cu w0.5: Comp12.7 165.77,89.19 U20.1
  Bottom w0.5: U20.1 R66.1
Raw21: length 201.6
  In1.Cu w0.5: v1(26.46,112.74) 27.31,111.89 29.69,111.89 33.85,116.8 34.4,121.4 42,135.9 52.75,148 66.2,157.3 81.45,163.05 97.5,165 113.7,163 128.9,157.25 142.3,148 153.1,135.75 160.6,121.4 161.2,116.65 Comp10.9
  In2.Cu w0.5: U21.1 Comp10.9
  Bottom w0.5: R67.1 U21.1
Raw22: length 20.5
  Bottom w0.5: Comp10.11 161.8,116.35 U22.1 R68.1
Raw23: length 24.6
  In2.Cu w0.5: U23.1 160.68,121.12 Comp10.7
  Bottom w0.5: R69.1 U23.1
Raw24: length 40.7
  In2.Cu w0.5: U24.1 152.5,136.57 153.3,135.37 153,118.97 Comp10.5
  Bottom w0.5: R70.1 U24.1
Raw25: length 146.1
  Top w0.5: Comp3.11 126.6,149.87 129.7,155.67 U25.1
  In1.Cu w0.5: U25.1 115.3,165.2 113.35,165.7 98.8,167.5 96.55,167.5 81.65,165.7 79.9,165.3 65.65,159.85 64.25,159.1 51.7,150.45 50.5,149.35 40.4,138.05 39.35,136.55 32.4,123.25 31.75,121.55 30.75,117.15 28.88,115.28 v1(26.46,115.28)
  Bottom w0.5: U25.1 R71.1
Raw26: length 16.8
  In2.Cu w0.5: U26.1 118.1,160.6 Comp3.9
  Bottom w0.5: R72.1 U26.1
Raw27: length 45.5
  In2.Cu w0.5: Comp3.7 117.04,160.1 113.8,163 110.24,163 105.5,167.74 105.5,174 109.9,178.87 112,179.77 U27.1
  Bottom w0.5: U27.1 R73.1
Raw28: length 37.4
  In2.Cu w0.5: U28.1 104.8,174.92 104.8,167.45 110.5,161.75 110.5,156 111.51,154.99 Comp3.5
  Bottom w0.5: R74.1 U28.1
Raw29: length 139.1
  In1.Cu w0.5: v1(43.86,124.19) 43.05,123.38 43.05,118.85 35.35,111.15 26.85,111.15 23.92,114.08 v1(23.92,115.28)
  In2.Cu w0.5: v1(43.86,124.19) 65.4,145.72 70.45,145.72 75.33,140.84 91.84,140.84 93.2,142.2 97.52,142.2 Comp2.11
  Bottom w0.5: Comp2.11 103.3,147.98 103.3,172.15 U29.1 R75.1
Raw30: length 33.6
  In2.Cu w0.5: U30.1 93.7,171.42 Comp2.7
  Bottom w0.5: R76.1 U30.1
Raw31: length 51.5
  In2.Cu w0.5: U31.1 83.1,179.77 85.2,178.87 92.45,171.52 92.45,149.79 Comp2.5
  Bottom w0.5: U31.1 R77.1
Raw32: length 27.9
  In2.Cu w0.5: U32.1 Comp6.9
  Bottom w0.5: U32.1 R78.1
Raw33: length 25.3
  Top w0.5: Comp6.7 15.05,113.6 U47.A0
  In2.Cu w0.5: Comp6.7 11.65,105.17 3.9,108.37 U33.1
  Bottom w0.5: U33.1 R79.1
Raw34: length 14.1
  In2.Cu w0.5: U34.1 1.23,97.65 3.5,98.87 Comp6.5
  Bottom w0.5: U34.1 R80.1
Raw35: length 28.9
  In2.Cu w0.5: Comp6.11 18.07,96.25 18.07,91.74 10.44,84.12 2.87,84.12 U35.1
  Bottom w0.5: U35.1 R81.1
Raw36: length 31.7
  In2.Cu w0.5: U36.1 22.38,90.45 Comp5.7
  Bottom w0.5: U36.1 R82.1
Raw37: length 187
  Top w0.5: Comp9.5 71.3,36.65 65.9,35.05 64.05,36 52.75,47 42,59.1 34.3,73.8 34.3,76 v1(36.52,78.22) ; U47.A7 25.66,111 v1(40.8,111)
  In2.Cu w0.5: U37.1 85.7,3.27 91.03,8.6 91.03,32.54 83.56,40.01 Comp9.5 ; v1(40.8,111) 43.23,108.58 43.23,84.99 36.52,78.29 v1(36.52,78.22)
  Bottom w0.5: U37.1 R83.1
Raw38: length 54.1
  In2.Cu w0.5: U38.1 85.64,2.05 91.73,8.14 91.73,47.05 Comp8.11
  Bottom w0.5: U38.1 R84.1
Raw39: length 48.4
  In2.Cu w0.5: U39.1 92.43,6.3 92.43,42.67 Comp8.9
  Bottom w0.5: U39.1 R85.1
Raw40: length 46.5
  In2.Cu w0.5: Comp8.7 101.25,41.33 101.25,10.16 109.36,2.05 U40.1
  Bottom w0.5: U40.1 R86.1
Raw41: length 209.1
  Top w0.5: 45.16,70.36 v1(45.16,70.36) 49.4,64.75 58,54.7 67.55,47.75 70.63,47.77 70.65,47.75 74.3,48.9 82.3,45.85 92.2,37.95 108.75,37.95 Comp7.11
  In1.Cu w0.5: v1(44.08,108.15) 42.12,110.1 36.3,110.1 35.95,109.75 24.37,109.75 v1(21.38,112.74)
  In2.Cu w0.5: U41.1 109.25,3.25 104,8.67 104,32.28 114.1,42.38 Comp7.11 ; v1(45.16,70.36) 45.16,70.37 45.16,107.07 v1(44.08,108.15)
  Bottom w0.5: U41.1 R87.1
Raw42: length 58.2
  In2.Cu w0.5: U42.1 191.7,85.8 185.75,91.57 157.15,91.57 156.7,91.13 Comp12.5
  Bottom w0.5: R88.1 U42.1
Raw43: length 25.6
  In2.Cu w0.5: Comp11.11 175.91,92.27 186.31,92.27 192.95,85.64 U43.1
  Bottom w0.5: R89.1 U43.1
Raw44: length 18.9
  In1.Cu w0.5: U44.1 192.42,96.15 182.05,96.15 Comp11.9
  Bottom w0.5: R90.1 U44.1
Raw45: length 243.7
  Top w0.5: v1(148.21,118.76) 143.25,113.8 145.6,104.3 150.05,100.05 180.87,100.05 Comp11.7
  In1.Cu w0.5: v1(43.9,120.75) 43.9,118.71 35.64,110.45 26.21,110.45 v1(21.38,115.28)
  In2.Cu w0.5: Comp11.7 184.89,101.3 192.95,109.36 U45.1 ; v1(43.9,120.75) 43.9,123.03 65.9,145.03 70,145.03 76.85,138.18 80.31,138.18 82.16,140.03 88.9,140.03 93.8,135.12 101.35,135.12 106.3,140.07 120.16,140.07 125.06,144.97 128.69,144.97 148.21,125.45 v1(148.21,118.76)
  Bottom w0.5: R91.1 U45.1
Raw46: length 34.4
  In2.Cu w0.5: Comp11.5 178.41,102.67 185.2,102.67 191.7,109.17 191.58,110.67 U46.1
  Bottom w0.5: R92.1 U46.1
Net-(D1-A): length 3.9
  Bottom w0.5: R1.1 D1.2
Net-(D2-A): length 3.9
  Bottom w0.5: D2.2 R2.1
Net-(D3-A): length 3.9
  Bottom w0.5: R3.1 D3.2
Net-(D4-A): length 3.9
  Bottom w0.5: R4.1 D4.2
Net-(D5-A): length 3.9
  Bottom w0.5: R5.1 D5.2
Net-(D6-A): length 3.9
  Bottom w0.5: D6.2 R6.1
Net-(D7-A): length 3.9
  Bottom w0.5: R7.1 D7.2
Net-(D8-A): length 3.9
  Bottom w0.5: D8.2 R8.1
Net-(D9-A): length 3.9
  Bottom w0.5: D9.2 R9.1
Net-(D10-A): length 3.9
  Bottom w0.5: D10.2 R10.1
Net-(D11-A): length 3.9
  Bottom w0.5: D11.2 R11.1
Net-(D12-A): length 3.9
  Bottom w0.5: D12.2 R12.1
Net-(D13-A): length 3.9
  Bottom w0.5: D13.2 R13.1
Net-(D14-A): length 3.9
  Bottom w0.5: R14.1 D14.2
Net-(D15-A): length 3.9
  Bottom w0.5: R15.1 D15.2
Net-(D16-A): length 3.9
  Bottom w0.5: D16.2 R16.1
Net-(D17-A): length 3.9
  Bottom w0.5: R17.1 D17.2
Net-(D18-A): length 3.9
  Bottom w0.5: R18.1 D18.2
Net-(D19-A): length 3.9
  Bottom w0.5: D19.2 R19.1
Net-(D20-A): length 3.9
  Bottom w0.5: R20.1 D20.2
Net-(D21-A): length 3.9
  Bottom w0.5: D21.2 R21.1
Net-(D22-A): length 3.9
  Bottom w0.5: R22.1 D22.2
Net-(D23-A): length 3.9
  Bottom w0.5: R23.1 D23.2
Net-(D24-A): length 3.9
  Bottom w0.5: R24.1 D24.2
Net-(D25-A): length 3.9
  Bottom w0.5: D25.2 R25.1
Net-(D26-A): length 3.9
  Bottom w0.5: R26.1 D26.2
Net-(D27-A): length 3.8
  Bottom w0.5: R27.1 D27.2
Net-(D28-A): length 3.8
  Bottom w0.5: R28.1 D28.2
Net-(D29-A): length 3.8
  Bottom w0.5: R29.1 D29.2
Net-(D30-A): length 3.8
  Bottom w0.5: R30.1 D30.2
Net-(D31-A): length 3.8
  Bottom w0.5: D31.2 R31.1
Net-(D32-A): length 3.8
  Bottom w0.5: D32.2 R32.1
Net-(D33-A): length 3.8
  Bottom w0.5: D33.2 R33.1
Net-(D34-A): length 3.8
  Bottom w0.5: D34.2 R34.1
Net-(D35-A): length 3.8
  Bottom w0.5: D35.2 R35.1
Net-(D36-A): length 3.8
  Bottom w0.5: D36.2 R36.1
Net-(D37-A): length 3.8
  Bottom w0.5: D37.2 R37.1
Net-(D38-A): length 3.8
  Bottom w0.5: D38.2 R38.1
Net-(D39-A): length 3.8
  Bottom w0.5: D39.2 R39.1
Net-(D40-A): length 3.8
  Bottom w0.5: D40.2 R40.1
Net-(D41-A): length 3.8
  Bottom w0.5: D41.2 R41.1
Net-(D42-A): length 3.8
  Bottom w0.5: R42.1 D42.2
Net-(D43-A): length 3.8
  Bottom w0.5: R43.1 D43.2
Net-(D44-A): length 3.8
  Bottom w0.5: R44.1 D44.2
Net-(D45-A): length 3.8
  Bottom w0.5: R45.1 D45.2
Net-(D46-A): length 3.8
  Bottom w0.5: R46.1 D46.2
Net-(D47-A): length 1.5
  Bottom w0.5: D47.2 R93.2
Net-(D48-A): length 1.5
  Bottom w0.5: D48.2 R94.2
Net-(D49-A): length 1.5
  Bottom w0.5: D49.2 R95.2
Net-(D50-A): length 2.2
  Bottom w0.5: R96.2 D50.2
Net-(R97-Pad1): length 9.6
  Bottom w0.5: R97.1 19,88.08 20.2,88.08 20.58,87.69 20.58,83.33 19.51,82.26 v1(18.84,82.26)

## Copper pours and planes (outline as drawn; the poured copper is in the pictures)
+5V on In1.Cu: -2.5,197.5 197.5,197.5 197.5,-2.5 -2.5,-2.5
GND on Top, Bottom: -2.5,197.5 197.5,197.5 197.5,-2.5 -2.5,-2.5
LineThreshold on In2.Cu: -2.5,197.5 197.5,197.5 197.5,-2.5 -2.5,-2.5
